# KiCad board V5PCB_Panel.kicad_pcb (continued)
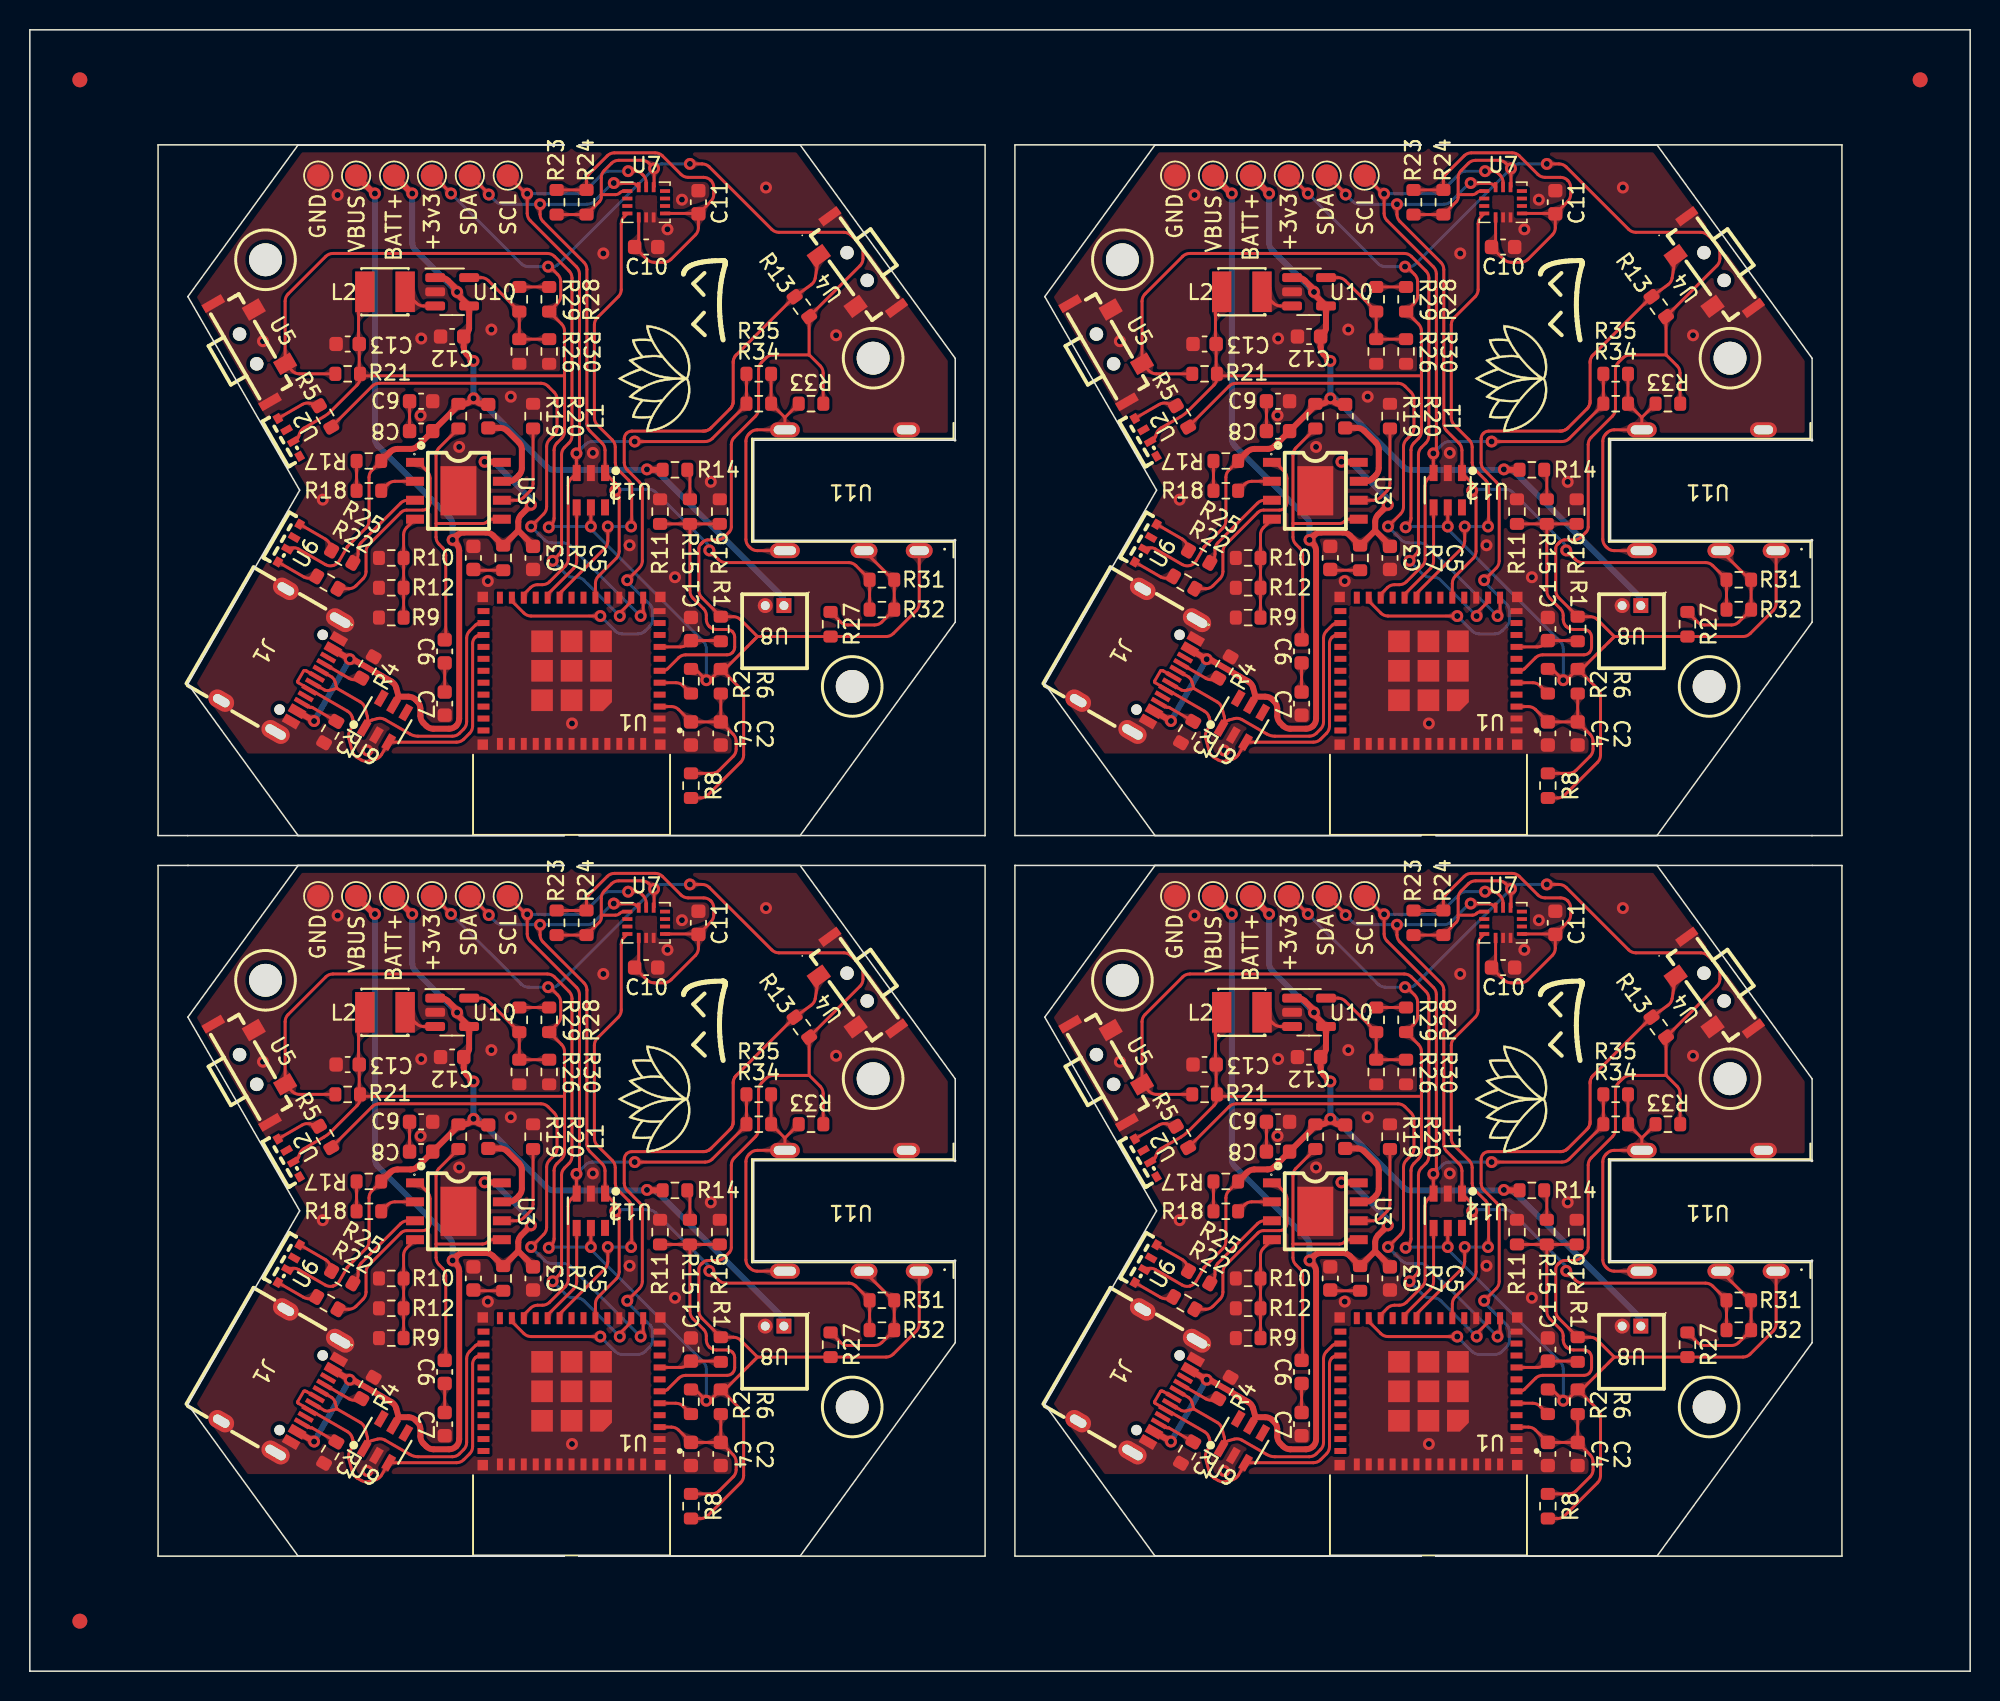
[diagram p0: board, top side]
## Routing (per net, layer and track width the routed paths; a pad name or vN(x,y) marks a point on that pad's centre or on a via; arc(x,y) is an arc through that point) (continued)
  Bottom w0.2: v1(80.53,99.03) 80.5,99.03 arc(80.47,99.04) 80.45,99.05
  Bottom w0.4: v1(87.88,81.05) 88.21,81.05 arc(88.47,81) 88.69,80.85 90.85,78.7 arc(90.95,78.54) 90.98,78.36 v1(90.98,78.17) ; 80.45,99.05 VBUS#8.1 ; v1(80.53,99.03) 80.53,82.6 arc(80.58,82.34) 80.73,82.12 85.54,77.31 arc(85.68,77.09) 85.74,76.83 v1(85.74,75.81) ; v1(78.85,67.82) v1(76.45,63.68)
Board_2-+3V3: length 184.4
  Top w0.2: v1(44.22,52.72) 45.04,52.72 arc(45.3,52.67) 45.52,52.53 49.71,48.34 arc(49.93,48.19) 50.19,48.14 54.54,48.14 arc(54.8,48.09) 55.02,47.94 55.62,47.34 arc(55.77,47.12) 55.82,46.86 55.82,46.38 arc(55.77,46.12) 55.62,45.9 R13#3.2 ; U7#4.1 39.81,50.91 arc(39.66,50.87) 39.53,50.79 arc(39.39,50.7) 39.24,50.67 38.28,50.67 ; 38.28,50.67 38.28,51.8 arc(38.34,52.06) 38.48,52.28 38.97,52.77 arc(39.19,52.91) 39.45,52.97 41,52.97 arc(41.26,52.91) 41.48,52.77 v1(41.82,52.42) 41.82,51.22 arc(41.82,51.2) 41.81,51.18 U7#4.12 ; 38.28,50.67 38.28,50.49 arc(38.25,50.33) 38.16,50.2 R24#2.1 R23#4.1 ; 48.75,21.05 48.07,20.38 46.68,18.98 arc(46.57,18.91) 46.44,18.88 R6.1 ; 48.75,21.05 57.37,21.05 arc(57.63,21.1) 57.85,21.25 59.39,22.79 arc(59.54,23.01) 59.59,23.27 U11#3.1 59.59,26.71 ; 48.75,21.05 47.62,22.18 arc(47.4,22.33) 47.14,22.38 R1.1 45.02,23.65 arc(44.88,23.87) 44.82,24.13 44.82,26.96 arc(44.85,27.1) 44.93,27.22 45.11,27.4 arc(45.25,27.49) 45.41,27.52 46.05,27.52 arc(46.31,27.58) 46.53,27.72 46.85,28.05 arc(46.96,28.21) 47,28.4 47,33.92 arc(47.05,34.18) 47.2,34.4 48.62,35.83 arc(48.77,36.05) 48.82,36.31 48.82,38.94 arc(48.88,39.2) 49.02,39.42 49.32,39.73 arc(49.55,39.87) 49.81,39.92 52.21,39.92 ; v1(34.72,45.84) 34.78,45.84 arc(34.84,45.83) 34.88,45.8 35.37,45.31 arc(35.52,45.09) 35.57,44.83 35.57,43.89 arc(35.52,43.63) 35.37,43.41 R28#2.1 35.62,42 arc(35.77,41.78) 35.82,41.52 35.82,34.81 arc(35.77,34.55) 35.62,34.33 35.32,34.02 arc(35.18,33.8) 35.12,33.54 35.12,28.98 arc(35.08,28.75) 34.95,28.55 v1(34.77,28.37) ; 35.82,38.52 22.34,38.52 arc(22.26,38.54) 22.18,38.59 R21.2 ; R8#2.1 44.95,10.23 arc(45.21,10.28) 45.43,10.43 47.62,12.63 arc(47.77,12.85) 47.82,13.11 47.82,17.07 arc(47.77,17.33) 47.62,17.55 R6.1 ; U2#4.2 17.81,34.22 arc(17.94,34.33) 18.02,34.49 18.05,34.61 arc(18.17,34.85) 18.37,35.02 19.7,35.79 arc(19.95,35.95) 20.16,36.14 21.92,37.9 arc(22.07,38.12) 22.12,38.38 R21.2 ; R33#2.1 53.16,36.67 arc(53.16,36.68) 53.15,36.7 53.15,38.71 arc(53.1,38.97) 52.95,39.19 52.23,39.92 arc(52.22,39.92) 52.22,39.92 52.21,39.92 ; v1(28.22,50.74) 27.05,51.91 arc(27.02,51.93) 26.98,51.94 +3v3#3.1 ; R13#3.2 52.04,42.37 ; R13#3.2 52.21,39.92 ; L2#4.2 22.22,43.93 arc(22.08,43.71) 22.02,43.45 22.02,40.73 arc(22.03,40.7) 22.05,40.68 arc(22.06,40.65) 22.07,40.62 22.07,38.74 arc(22.08,38.71) 22.09,38.68 R21.2 ; R6.1 45.61,18.2 arc(45.53,18.14) 45.43,18.12 v1(45.32,18.12) 44.66,18.78 arc(44.56,18.86) 44.43,18.88 R2#3.2 ; 26.97,51.92 26.97,51.94 arc(26.96,51.94) 26.95,51.94 26.95,51.94 arc(26.94,51.94) 26.94,51.94 ; v1(37.59,28.42) U12#4.5
  Bottom w0.2: v1(44.22,52.72) 42.34,52.72 arc(42.14,52.69) 41.97,52.57 v1(41.82,52.42) 35.39,46 arc(35.21,45.87) 34.98,45.82 34.75,45.82 arc(34.74,45.83) 34.73,45.83 v1(34.72,45.84) 33.4,45.84 arc(33.14,45.89) 32.92,46.04 v1(28.22,50.74) 27.05,51.91 arc(27.02,51.93) 26.98,51.94 +3v3#8.1 ; v1(45.32,18.12) 45.32,20.24 arc(45.27,20.5) 45.12,20.72 37.65,28.2 arc(37.6,28.27) 37.59,28.34 v1(37.59,28.42) 34.86,28.42 arc(34.82,28.42) 34.79,28.4 v1(34.77,28.37) ; 26.96,51.94 arc(26.95,51.94) 26.95,51.94 arc(26.94,51.94) 26.94,51.93
Board_2-+BATT: length 70.7
  Top w0.2: R17.1 22.92,32.2 arc(22.78,31.98) 22.72,31.72 22.72,28.81 arc(22.67,28.55) 22.52,28.33 21.27,27.07 arc(21.26,27.06) 21.26,27.06 arc(21.26,27.05) 21.26,27.04 20.73,26.13 arc(20.55,25.93) 20.32,25.81 20.31,25.81 arc(20.05,25.79) 19.8,25.88 17.99,26.92 arc(17.76,27) 17.51,26.98 U6#4.2 ; 30.71,36.61 L1#2.2 ; v1(28.63,44.14) 28.63,44.08 arc(28.64,44.02) 28.67,43.96 ; 29.39,43.38 arc(29.42,43.33) 29.43,43.27 U10#4.4 arc(29.43,43.21) 29.43,43.2 arc(29.43,43.2) 29.43,43.2
  Top w0.4: 28.63,44.33 v1(28.63,44.14) 28.63,44.22 arc(28.61,44.29) 28.57,44.35 28.02,44.91 arc(27.8,45.05) 27.54,45.11 U10#4.1 27.41,45.11 ; 28.67,43.96 U10#4.4 ; v1(29.72,37.02) 29.86,37.15 ; v1(29.72,37.02) 29.92,36.82 arc(30.15,36.67) 30.41,36.62 30.7,36.62 arc(30.7,36.62) 30.71,36.61 ; v1(29.72,37.02) 29.54,36.83 arc(29.33,36.69) 29.09,36.64 28.77,36.64 arc(28.73,36.63) 28.72,36.59 arc(28.71,36.55) 28.68,36.51 25.99,33.82 arc(25.77,33.68) 25.51,33.62 24.63,33.62 arc(24.37,33.57) 24.15,33.43 R17.1 ; v1(29.72,39.52) 29.27,39.97 arc(29.12,40.19) 29.07,40.45 C12.1 29.25,41.34 arc(29.37,41.5) 29.43,41.69 29.43,43.2 ; v1(41.35,32.25) 41.41,32.25 arc(41.51,32.23) 41.61,32.22 R14#3.1 ; 25.59,50.75 BATT+.1
  Bottom w0.2: v1(29.72,37.02) 29.72,37.32 ; BATT+#5.1 24.41,51.94 arc(24.42,51.94) 24.43,51.93 ; v1(28.63,44.14) 28.6,44.14
  Bottom w0.4: 29.72,37.32 34.63,32.42 arc(34.85,32.27) 35.11,32.22 41.29,32.22 arc(41.31,32.22) 41.33,32.23 v1(41.35,32.25) 41.62,32.25 arc(41.87,32.2) 42.09,32.06 50.35,23.8 arc(50.48,23.61) 50.52,23.38 U8.1 ; 24.43,51.93 v1(25.62,50.74) 25.62,47.43 arc(25.67,47.17) 25.82,46.95 v1(28.63,44.14) ; v1(29.72,39.52) v1(29.72,37.02)
Board_2-/ADC: length 19.8
  Top w0.2: R15#4.2 R11.1 ; R15#4.2 R16#2.1 ; R15#4.2 44.22,24.11 arc(44.28,23.85) 44.42,23.63 45.14,22.91 arc(45.28,22.7) 45.32,22.47 45.32,22.21 arc(45.38,21.95) 45.52,21.73 45.52,21.72 arc(45.75,21.58) 46.01,21.52 46.71,21.52 arc(46.91,21.49) 47.07,21.37 arc(47.18,21.21) 47.22,21.01 47.22,20.34 arc(47.18,20.14) 47.07,19.97 arc(46.91,19.86) 46.71,19.82 43.95,19.82 arc(43.68,19.77) 43.46,19.63 42.74,18.9 arc(42.58,18.79) 42.39,18.76 U1#2.6
Board_2-/BMI_INT_AUX: length 6.8
  Top w0.2: U1#2.20 34.69,23.77 arc(34.71,23.87) 34.77,23.96 36.44,25.62 arc(36.59,25.84) 36.64,26.11 U12#4.4
Board_2-/BMI_INT_MAIN: length 30.4
  Top w0.2: v1(40.28,28.42) 40.3,28.44 arc(40.32,28.47) 40.32,28.49 40.32,31.04 arc(40.27,31.3) 40.12,31.52 39.42,32.23 arc(39.28,32.45) 39.22,32.71 39.22,33.74 arc(39.17,34) 39.02,34.22 38.02,35.23 arc(37.88,35.45) 37.82,35.71 37.82,41.94 arc(37.88,42.2) 38.02,42.42 39.42,43.83 arc(39.57,44.05) 39.62,44.31 39.62,48.72 arc(39.68,48.98) 39.82,49.2 U7#4.4 ; U1#2.19 35.49,23.8 arc(35.52,23.93) 35.59,24.04 38.52,26.97 arc(38.67,27.19) 38.72,27.45 v1(38.72,28.42)
  Bottom w0.2: v1(38.72,28.42) v1(40.28,28.42)
Board_2-/BOOT: length 45.3
  Top w0.2: v1(40.02,24.82) 40.84,25.64 arc(40.98,25.86) 41.04,26.12 41.04,30.93 arc(40.98,31.19) 40.84,31.41 40.02,32.22 arc(39.88,32.44) 39.82,32.7 39.82,34.31 arc(39.86,34.5) 39.97,34.67 arc(40.14,34.78) 40.33,34.82 45.1,34.82 arc(45.14,34.82) 45.19,34.82 arc(45.23,34.82) 45.27,34.83 45.32,34.84 arc(45.4,34.87) 45.48,34.91 45.52,34.93 arc(45.56,34.96) 45.59,34.99 arc(45.62,35.02) 45.65,35.05 46.89,36.29 arc(46.92,36.32) 46.96,36.35 arc(46.98,36.39) 47.01,36.42 47.03,36.46 arc(47.07,36.54) 47.1,36.62 47.11,36.67 arc(47.12,36.71) 47.12,36.76 arc(47.12,36.8) 47.12,36.84 47.12,39.39 arc(47.12,39.44) 47.13,39.48 arc(47.13,39.53) 47.14,39.57 47.15,39.61 arc(47.18,39.7) 47.22,39.77 47.24,39.81 arc(47.26,39.85) 47.29,39.88 arc(47.32,39.92) 47.35,39.95 51.23,43.82 arc(51.23,43.82) 51.23,43.82 arc(51.23,43.83) 51.23,43.83 51.23,43.83 arc(51.24,43.83) 51.24,43.83 arc(51.24,43.83) 51.24,43.83 R13#3.1 52.35,44.63 arc(52.53,44.83) 52.62,45.08 U4#3.1 ; U1#2.23 32.29,23.54 arc(32.31,23.44) 32.37,23.35 33.1,22.62 arc(33.32,22.48) 33.58,22.42 v1(38.22,22.42)
  Bottom w0.2: v1(38.22,22.42) 39.22,21.42 arc(39.45,21.28) 39.71,21.22 40.74,21.22 arc(41,21.28) 41.22,21.42 41.52,21.73 arc(41.67,21.95) 41.72,22.21 41.72,22.74 arc(41.69,22.96) 41.59,23.16 40.06,24.68 arc(40.03,24.73) 40.02,24.77 v1(40.02,24.82)
Board_2-/CHARGED_LED: length 6.5
  Top w0.2: U3#2.3 25.32,30.18 arc(25.06,30.13) 24.83,29.99 22.19,27.34 arc(22.05,27.12) 21.99,26.86 21.99,26.58 arc(21.95,26.35) 21.82,26.16 R25#2.2 21.68,26.03 arc(21.71,26.07) 21.72,26.12
Board_2-/CHARGING_LED: length 12.8
  Top w0.2: U3#2.1 25.92,32.72 arc(26.02,32.7) 26.1,32.65 26.62,32.13 arc(26.76,31.91) 26.82,31.65 26.82,30.02 arc(26.78,29.83) 26.67,29.67 arc(26.51,29.56) 26.32,29.52 25.25,29.52 arc(25.04,29.48) 24.86,29.36 22.72,27.22 arc(22.58,27) 22.52,26.74 22.52,25.41 arc(22.47,25.15) 22.32,24.93 21.85,24.45 arc(21.63,24.31) 21.37,24.25 R22.2
Board_2-/EN: length 4.2
  Top w0.2: R1.2 46.27,20.76 arc(46.24,20.77) 46.21,20.78 44.58,20.78 arc(44.32,20.73) 44.09,20.58 44.07,20.55 arc(43.85,20.41) 43.59,20.36 U1#2.8
Board_2-/GPIO1: length 56.1
  Top w0.2: R21.1 18.06,38.66 arc(17.8,38.71) 17.58,38.85 17.3,39.13 arc(17.15,39.35) 17.1,39.61 17.1,43.52 arc(17.15,43.78) 17.3,44 19.82,46.53 arc(20.05,46.67) 20.31,46.72 34.67,46.72 arc(34.93,46.67) 35.15,46.53 36.12,45.56 arc(36.27,45.33) 36.32,45.07 36.32,34.51 arc(36.27,34.25) 36.12,34.03 35.82,33.72 arc(35.68,33.5) 35.62,33.24 35.62,27.01 arc(35.57,26.75) 35.42,26.53 v1(35.02,26.12) ; U1#2.13 40.29,23.53 arc(40.27,23.41) 40.2,23.3 arc(40.2,23.3) 40.2,23.3 39.51,22.62 39.51,22.61 arc(39.51,22.61) 39.51,22.61 39.51,22.45 arc(39.51,22.44) 39.52,22.43 v1(39.52,22.42)
  Bottom w0.2: v1(35.02,26.12) 35.94,25.21 arc(36.14,25.07) 36.38,25.02 36.64,25.02 arc(36.9,24.97) 37.12,24.83 v1(39.52,22.42)
Board_2-/GPIO2: length 2.4
  Top w0.2: U1#2.5 43.29,17.96 arc(43.55,17.9) 43.77,17.76 R2#3.1
Board_2-/SCL: length 58
  Top w0.2: U7#4.13 41.29,51.49 arc(41.24,51.75) 41.09,51.97 41.02,52.04 arc(40.84,52.17) 40.63,52.24 v1(40.08,52.24) ; SCL.1 33.21,50.75 arc(33.24,50.73) 33.28,50.72 v1(33.32,50.72) 33.32,49.41 arc(33.38,49.15) 33.52,48.93 36.62,45.83 arc(36.77,45.61) 36.82,45.35 36.82,33.67 arc(36.8,33.54) 36.72,33.42 v1(36.62,33.32) 36.62,31.99 36.27,31.64 arc(36.12,31.42) 36.07,31.16 36.07,26.25 arc(36.02,25.99) 35.87,25.77 34.82,24.72 arc(34.6,24.58) 34.34,24.52 34.02,24.52 arc(33.76,24.47) 33.54,24.33 33.17,23.96 arc(33.11,23.87) 33.09,23.77 U1#2.22 ; R35#2.1 48.01,36.61 45.72,34.32 arc(45.5,34.17) 45.24,34.12 v1(40.52,34.12)
  Bottom w0.2: v1(36.62,33.32) 37.22,33.92 arc(37.44,34.07) 37.7,34.12 v1(40.52,34.12) ; 32.04,51.94 33.23,50.75 arc(33.26,50.73) 33.29,50.72 v1(33.32,50.72) 36.74,50.72 arc(37,50.78) 37.22,50.92 38.34,52.04 arc(38.52,52.17) 38.73,52.24 v1(40.08,52.24)
Board_2-/SDA: length 65.4
  Top w0.2: v1(45.52,26.82) 46.14,26.2 arc(46.36,26.06) 46.62,26.01 54.86,26.01 arc(55.12,25.95) 55.34,25.81 56.25,24.9 arc(56.26,24.88) 56.26,24.87 R31.1 R32#3.1 ; v1(30.75,50.67) 30.75,50.69 arc(30.75,50.71) 30.74,50.73 29.54,51.92 arc(29.52,51.93) 29.5,51.94 29.48,51.94 ; 40.79,51.23 U7#4.14 40.67,51.3 arc(40.55,51.38) 40.41,51.42 39.16,51.42 arc(39.14,51.43) 39.13,51.43 v1(39.12,51.44) ; v1(34.18,50.02) 34.18,49.35 arc(34.24,49.09) 34.38,48.87 37.12,46.13 arc(37.27,45.91) 37.32,45.65 37.32,35.31 arc(37.38,35.05) 37.52,34.83 38.34,34.01 arc(38.49,33.79) 38.54,33.53 U12#4.1 39.22,31.32 arc(39.29,31.23) 39.32,31.12 39.32,30.99 arc(39.31,30.93) 39.27,30.87 v1(39.22,30.82) 39.35,30.69 arc(39.45,30.55) 39.48,30.38 39.48,26.77 arc(39.43,26.51) 39.29,26.29 38.09,25.09 arc(37.95,24.87) 37.89,24.61 U1#2.16
  Bottom w0.2: v1(39.12,51.44) 39.08,51.44 arc(39.04,51.44) 39.01,51.41 37.76,50.16 arc(37.56,50.06) 37.34,50.02 31.68,50.02 arc(31.42,50.08) 31.2,50.22 v1(30.75,50.67) ; v1(30.75,50.67) 30.72,50.64 ; v1(30.75,50.67) 30.75,50.69 arc(30.75,50.71) 30.74,50.73 29.53,51.93 29.53,51.93 arc(29.51,51.94) 29.5,51.94 SDA#5.1 ; v1(45.52,26.82) 45.52,26.97 arc(45.5,27.11) 45.42,27.23 41.92,30.73 arc(41.74,30.85) 41.53,30.92 39.39,30.92 arc(39.33,30.91) 39.27,30.87 v1(39.22,30.82)
Board_2-/STATUS_LED: length 37.1
  Top w0.2: v1(40.92,22.42) 41.01,22.51 arc(41.07,22.6) 41.09,22.72 U1#2.12 ; R5#3.2 22.93,37.83 arc(23.15,37.97) 23.41,38.02 34.24,38.02 arc(34.5,37.97) 34.72,37.83 35.12,37.42 arc(35.27,37.2) 35.32,36.94 35.32,35.04 arc(35.27,34.78) 35.12,34.56 34.82,34.26 arc(34.68,34.04) 34.62,33.78 34.62,29.75 arc(34.57,29.48) 34.42,29.26 v1(33.58,28.42)
  Bottom w0.2: v1(40.92,22.42) 36.22,27.13 arc(36,27.27) 35.74,27.32 34.97,27.32 arc(34.71,27.38) 34.49,27.52 v1(33.58,28.42)
Board_2-/USB_D+: length 25.1
  Top w0.2: J1#4.B6 18.56,18.73 arc(18.54,18.74) 18.51,18.75 arc(18.49,18.76) 18.47,18.77 18.42,18.77 arc(18.4,18.77) 18.37,18.77 arc(18.35,18.76) 18.34,18.74 17.95,18.07 arc(17.94,18.04) 17.94,18.01 arc(17.95,17.98) 17.98,17.96 21.28,16.05 arc(21.48,15.87) 21.6,15.64 21.64,15.49 arc(21.66,15.22) 21.57,14.97 21.44,14.74 arc(21.36,14.49) 21.37,14.22 21.6,13.36 arc(21.72,13.12) 21.92,12.94 22.21,12.78 arc(22.46,12.69) 22.73,12.71 23.15,12.82 arc(23.39,12.94) 23.56,13.14 U9#2.3 ; U1#2.27 30.19,21.16 arc(30.01,21.12) 29.85,21.01 29.83,20.99 arc(29.71,20.81) 29.67,20.59 29.67,15.05 arc(29.61,14.79) 29.47,14.57 29.07,14.17 arc(28.85,14.02) 28.59,13.97 U9#2.3 ; U9#2.3 24.09,14.06 arc(24.15,14.13) 24.24,14.17
Board_2-/USB_D-: length 22.1
  Top w0.2: 20.57,17.58 20.45,18 arc(20.37,18.18) 20.24,18.33 19.48,18.77 arc(19.48,18.77) 19.48,18.77 J1#4.B7 ; 20.57,17.58 22.14,16.67 arc(22.34,16.49) 22.46,16.25 22.61,15.69 arc(22.63,15.42) 22.54,15.17 22.47,15.05 22.53,15.15 arc(22.7,15.34) 22.92,15.45 23.28,15.55 arc(23.55,15.57) 23.8,15.48 25.47,14.51 arc(25.73,14.41) 26.01,14.37 28.31,14.37 arc(28.57,14.42) 28.79,14.57 29.07,14.85 arc(29.21,15.07) 29.27,15.33 29.27,20.94 arc(29.32,21.2) 29.46,21.43 29.85,21.81 arc(30.01,21.92) 30.19,21.96 U1#2.26 ; 20.57,17.58 20.07,17.44 arc(19.91,17.43) 19.75,17.46 18.98,17.91 arc(18.98,17.91) J1#4.A7
Board_2-GND:
  vias: v1(15.62,40.84) v1(19.62,30.22) v1(20.62,50.64) v1(22.61,13.41) v1(26.22,41.02) v1(26.18,35.87) v1(28.77,33.76) v1(30.68,24.77) v1(30.92,41.62) v1(32.22,37.12) v1(36.32,15.22) v1(37.72,33.36) v1(38.42,46.72) v1(40.18,27.17) v1(42.72,48.34) v1(43.22,25.02) v1(43.69,50.33) v1(45.62,31.42) v1(49.32,51.14) v1(54.02,41.24)
Board_2-Net-(C3-Pad1): length 2
  Top w0.2: C3.1 29.74,25.52 arc(29.77,25.5) 29.8,25.49 R7.2
Board_2-Net-(C6-Pad2): length 1.9
  Top w0.2: C7.1 C6#3.2
Board_2-Net-(C8-Pad2): length 2
  Top w0.2: C9#2.1 C8#4.2
Board_2-Net-(J1-CC1): length 2.8
  Top w0.2: R4#3.1 21.9,18.18 arc(21.64,18.16) 21.39,18.25 20.9,18.53 J1#4.A5
Board_2-Net-(J1-CC2): length 2.6
  Top w0.2: R3#4.1 18.92,16.3 arc(18.87,16.31) 18.82,16.31 arc(18.77,16.31) 18.72,16.32 J1#4.B5
Board_2-Net-(R5-Pad1): length 3
  Top w0.2: R5#3.1 18.77,36.68 arc(18.51,36.69) 18.26,36.61 U2#4.4
Board_2-Net-(R14-Pad2): length 2
  Top w0.2: R14#3.2 44.14,32.14 arc(44.2,32.04) 44.22,31.93 R15#4.1
Board_2-Net-(R17-Pad2): length 2
  Top w0.2: R18#2.1 R17.2
Board_2-Net-(R22-Pad1): length 2.9
  Top w0.2: U6#4.1 18.34,25.05 arc(18.6,24.97) 18.86,24.98 R22.1
Board_2-Net-(R25-Pad1): length 2.9
  Top w0.2: U6#4.4 19.8,27.58 arc(20,27.41) 20.12,27.17 R25#2.1
Board_2-Net-(R27-Pad2): length 11.3
  Top w0.2: U11#3.3 55.63,26.81 arc(55.4,26.76) 55.2,26.62 ; R27#2.2 54.32,22.02 arc(54.54,21.88) 54.8,21.82 56.6,21.82 arc(56.86,21.88) 57.08,22.02 R32#3.2 57.91,24.82 arc(57.9,24.84) 57.88,24.86 arc(57.84,24.86) 57.81,24.88 55.98,26.71 arc(55.88,26.78) 55.76,26.81 55.63,26.81 arc(55.38,26.76) 55.18,26.62
Board_2-Net-(R28-Pad2): length 2
  Top w0.2: R28#2.2 R29#3.1
Board_2-Net-(R33-Pad2): length 18.1
  Top w0.2: R35#2.2 R34#2.2 50.59,35.73 ; U11#3.5 48.74,26.81 arc(48.48,26.86) 48.26,27 48.17,27.09 arc(48.03,27.31) 47.97,27.57 47.97,34.14 arc(48.03,34.4) 48.17,34.62 48.26,34.71 arc(48.48,34.85) 48.74,34.91 U11#3.4 50.59,35.73 ; 50.59,35.73 R33#2.2
Board_2-Net-(U1-3V3): length 12.4
  Top w0.2: R8#2.2 45.7,11.88 arc(45.96,11.93) 46.18,12.08 47.12,13.03 arc(47.27,13.25) 47.32,13.51 47.32,14.02 arc(47.27,14.28) 47.12,14.5 C2#2.1 ; U1#2.3 42.99,16.36 arc(43.25,16.3) 43.47,16.16 C4#3.1 C2#2.1 ; C2#2.1 R6.2
Board_2-Net-(U3-BAT): length 19.5
  Top w0.2: 27.22,28.62 27.22,33.21 arc(27.27,33.47) 27.41,33.69 R20#2.2 ; 27.22,28.62 27.22,27.71 arc(27.27,27.45) 27.41,27.23 27.67,26.98 arc(27.81,26.76) 27.87,26.5 27.87,20.95 arc(27.86,20.91) 27.83,20.87 C6#3.1 ; 27.22,28.62 30.33,28.62 arc(30.51,28.66) 30.68,28.77 arc(30.84,28.88) 31.03,28.91 U3#2.5
Board_2-Net-(U3-ICHG): length 6.4
  Top w0.2: U3#2.6 32.61,30.18 arc(32.87,30.24) 33.09,30.38 33.52,30.81 arc(33.66,31.03) 33.72,31.29 R19#3.2
Board_2-Net-(U3-NTC): length 6.9
  Top w0.2: U3#2.4 25.24,28.35 arc(25.09,28.13) 25.04,27.87 R10#4.2 R12.2 R9#2.2
Board_2-Net-(U3-SW): length 6
  Top w0.4: U3#2.7 32.08,31.45 arc(32.34,31.51) 32.56,31.65 32.77,31.86 arc(32.91,32.08) 32.97,32.34 32.97,33.58 arc(32.91,33.84) 32.77,34.06 31.99,34.83 arc(31.77,34.98) 31.51,35.03 L1#2.1
Board_2-Net-(U3-TEST): length 2.5
  Top w0.2: U3#2.2 24.46,31.45 arc(24.2,31.4) 23.98,31.26 R18#2.2
Board_2-Net-(U7-VDD): length 26.4
  Top w0.2: U7#4.8 44.75,49.41 arc(44.77,49.4) 44.78,49.39 44.79,49.39 arc(44.79,49.38) 44.79,49.37 44.79,48.45 arc(44.74,48.19) 44.59,47.97 42.96,46.33 arc(42.74,46.18) 42.48,46.13 41.82,46.13 arc(41.56,46.18) 41.34,46.33 40.66,47.02 arc(40.6,47.16) 40.66,47.29 arc(40.76,47.45) 40.79,47.62 U7#4.5 ; C11#4.1 45.62,50.21 arc(45.77,50.43) 45.82,50.69 45.82,51.14 arc(45.77,51.4) 45.62,51.62 45.62,51.63 arc(45.4,51.77) 45.14,51.82 44.11,51.82 arc(43.85,51.88) 43.62,52.02 42.38,53.27 arc(42.16,53.41) 41.9,53.47 39.17,53.47 arc(38.91,53.41) 38.69,53.27 37.49,52.07 arc(37.35,51.85) 37.29,51.59 R24#2.2 R23#4.2 ; 40.24,47.16 C10.1
Board_2-Net-(U10-FB): length 8.1
  Top w0.2: U10#4.5 30.24,45.11 arc(30.5,45.05) 30.72,44.91 R29#3.2 R26#4.1 R30#3.1
Board_2-Net-(U10-SW): length 2.6
  Top w0.2: L2#4.1 25.89,43.4 arc(26.12,43.26) 26.38,43.21 U10#4.3 27.09,43.14 arc(27.02,43.1) 26.94,43.08
Board_2-VBUS: length 74
  Top w0.2: v1(21.44,19.53) 21.69,19.6 ; C5#3.1 33.72,27.13 arc(33.71,27.16) 33.69,27.18 ; v1(23.12,50.74) 23.09,50.74 arc(23.06,50.75) 23.04,50.76
  Top w0.4: 24.71,17.02 U9#2.5 ; 24.71,17.02 25.37,17.02 arc(25.63,16.97) 25.85,16.82 25.97,16.7 arc(26.11,16.48) 26.17,16.22 26.17,15.74 arc(26.22,15.48) 26.36,15.26 26.55,15.07 arc(26.78,14.92) 27.04,14.87 28.09,14.87 arc(28.35,14.92) 28.57,15.07 arc(28.71,15.29) 28.77,15.55 28.77,26.8 arc(28.71,27.06) 28.57,27.28 v1(28.32,27.52) 28.62,27.83 arc(28.85,27.97) 29.11,28.02 30.55,28.02 arc(30.81,27.97) 31.03,27.83 R7.1 32.72,28.15 ; 24.71,17.02 24.54,17.62 arc(24.43,17.86) 24.23,18.03 21.63,19.53 arc(21.57,19.55) 21.5,19.55 v1(21.44,19.53) 20.31,20.18 ; v1(30.47,32.76) 31.56,32.76 arc(31.59,32.75) 31.61,32.74 U3#2.8 ; 23.04,50.76 VBUS.1 ; 32.72,28.15 32.72,28.74 arc(32.78,29) 32.92,29.22 33.57,29.86 arc(33.57,29.87) 33.57,29.87 v1(33.57,29.88) ; 32.72,28.15 33.69,27.18 ; v1(19.04,15.39) J1#4.A4
  Bottom w0.2: v1(23.12,50.74) 23.09,50.74 arc(23.06,50.75) 23.03,50.76
  Bottom w0.4: 23.03,50.76 VBUS#7.1 ; v1(23.12,50.74) 23.12,34.31 arc(23.17,34.05) 23.32,33.83 28.12,29.02 arc(28.27,28.8) 28.32,28.54 v1(28.32,27.52) ; v1(21.44,19.53) v1(19.04,15.39) ; v1(30.47,32.76) 30.8,32.76 arc(31.06,32.71) 31.28,32.56 33.43,30.41 arc(33.54,30.25) 33.57,30.07 v1(33.57,29.88)
Board_3-+3V3: length 184.4
  Top w0.2: 93.24,38.52 79.75,38.52 arc(79.67,38.54) 79.6,38.59 R21#4.2 ; U7.1 97.23,50.91 arc(97.07,50.87) 96.94,50.79 arc(96.8,50.7) 96.65,50.67 95.7,50.67 ; R2#2.2 101.84,18.88 arc(101.97,18.86) 102.08,18.78 v1(102.74,18.12) 102.84,18.12 arc(102.94,18.14) 103.03,18.2 R6#3.1 ; R6#3.1 105.04,17.55 arc(105.18,17.33) 105.24,17.07 105.24,13.11 arc(105.18,12.85) 105.04,12.63 102.84,10.43 arc(102.62,10.28) 102.36,10.23 R8#4.1 ; R6#3.1 103.85,18.88 arc(103.98,18.91) 104.09,18.98 106.16,21.05 ; v1(92.14,45.84) 92.19,45.84 arc(92.25,45.83) 92.29,45.8 92.78,45.31 arc(92.93,45.09) 92.98,44.83 92.98,43.89 arc(92.93,43.63) 92.78,43.41 R28.1 93.04,42 arc(93.18,41.78) 93.24,41.52 93.24,34.81 arc(93.18,34.55) 93.04,34.33 92.73,34.02 arc(92.59,33.8) 92.54,33.54 92.54,28.98 arc(92.49,28.75) 92.36,28.55 v1(92.18,28.37) ; 117,26.71 U11.1 117,23.27 arc(116.95,23.01) 116.8,22.79 115.26,21.25 arc(115.04,21.1) 114.78,21.05 106.16,21.05 ; R21#4.2 79.53,38.38 arc(79.48,38.12) 79.33,37.9 77.58,36.14 arc(77.36,35.95) 77.12,35.79 75.78,35.02 arc(75.58,34.85) 75.47,34.61 75.43,34.49 arc(75.36,34.33) 75.22,34.22 U2.2 ; R21#4.2 79.51,38.68 arc(79.49,38.71) 79.48,38.74 79.48,40.62 arc(79.47,40.65) 79.46,40.68 arc(79.44,40.7) 79.44,40.73 79.44,43.45 arc(79.49,43.71) 79.63,43.93 L2#2.2 ; 95.7,50.67 95.7,51.8 arc(95.75,52.06) 95.9,52.28 96.38,52.77 arc(96.6,52.91) 96.86,52.97 98.41,52.97 arc(98.67,52.91) 98.89,52.77 v1(99.24,52.42) 99.24,51.22 arc(99.23,51.2) 99.22,51.18 U7.12 ; 95.7,50.67 95.7,50.49 arc(95.66,50.33) 95.57,50.2 R24#3.1 R23#3.1 ; 106.16,21.05 105.03,22.18 arc(104.81,22.33) 104.55,22.38 R1#2.1 102.43,23.65 arc(102.29,23.87) 102.24,24.13 102.24,26.96 arc(102.26,27.1) 102.34,27.22 102.52,27.4 arc(102.66,27.49) 102.82,27.52 103.46,27.52 arc(103.72,27.58) 103.94,27.72 104.27,28.05 arc(104.37,28.21) 104.41,28.4 104.41,33.92 arc(104.46,34.18) 104.61,34.4 106.04,35.83 arc(106.18,36.05) 106.24,36.31 106.24,38.94 arc(106.29,39.2) 106.43,39.42 106.74,39.73 arc(106.96,39.87) 107.22,39.92 109.62,39.92 ; v1(85.63,50.74) 84.46,51.91 arc(84.43,51.93) 84.39,51.94 +3v3#4.1 ; 109.62,39.92 109.63,39.92 arc(109.63,39.92) 109.64,39.92 110.37,39.19 arc(110.51,38.97) 110.56,38.71 110.56,36.7 arc(110.57,36.68) 110.57,36.67 R33#3.1 ; 109.62,39.92 R13.2 ; R13.2 113.03,45.9 arc(113.18,46.12) 113.23,46.38 113.23,46.86 arc(113.18,47.12) 113.03,47.34 112.43,47.94 arc(112.21,48.09) 111.95,48.14 107.6,48.14 arc(107.34,48.19) 107.12,48.34 102.93,52.53 arc(102.71,52.67) 102.45,52.72 v1(101.64,52.72) ; R13.2 109.45,42.37 ; v1(95,28.42) U12.5 ; 84.38,51.92 84.38,51.94 arc(84.37,51.94) 84.36,51.94 84.36,51.94 arc(84.35,51.94) 84.35,51.94
  Bottom w0.2: v1(92.18,28.37) 92.21,28.4 arc(92.24,28.42) 92.27,28.42 v1(95,28.42) 95,28.34 arc(95.01,28.27) 95.06,28.2 102.54,20.72 arc(102.68,20.5) 102.74,20.24 v1(102.74,18.12) ; v1(101.64,52.72) 99.75,52.72 arc(99.55,52.69) 99.39,52.57 v1(99.24,52.42) 92.81,46 arc(92.62,45.87) 92.39,45.82 92.16,45.82 arc(92.15,45.83) 92.14,45.83 v1(92.14,45.84) 90.81,45.84 arc(90.55,45.89) 90.33,46.04 v1(85.63,50.74) 84.46,51.91 arc(84.43,51.93) 84.39,51.94 +3v3#5.1 ; 84.37,51.94 arc(84.36,51.94) 84.36,51.94 arc(84.35,51.94) 84.35,51.93
Board_3-+BATT: length 70.7
  Top w0.2: U6.2 74.92,26.98 arc(75.17,27) 75.4,26.92 77.21,25.88 arc(77.46,25.79) 77.73,25.81 77.73,25.81 arc(77.97,25.93) 78.14,26.13 78.67,27.04 arc(78.67,27.05) 78.67,27.06 arc(78.68,27.06) 78.68,27.07 79.94,28.33 arc(80.08,28.55) 80.14,28.81 80.14,31.72 arc(80.19,31.98) 80.33,32.2 R17#2.1 ; 88.12,36.61 L1.2 ; v1(86.04,44.14) 86.04,44.08 arc(86.05,44.02) 86.08,43.96 ; 86.8,43.38 arc(86.83,43.33) 86.84,43.27 U10#2.4 arc(86.84,43.21) 86.84,43.2 arc(86.84,43.2) 86.84,43.2
  Top w0.4: R17#2.1 81.56,33.43 arc(81.78,33.57) 82.04,33.62 82.93,33.62 arc(83.19,33.68) 83.41,33.82 86.09,36.51 arc(86.12,36.55) 86.13,36.59 arc(86.14,36.63) 86.18,36.64 86.5,36.64 arc(86.74,36.69) 86.95,36.83 v1(87.14,37.02) ; 86.04,44.33 v1(86.04,44.14) 86.04,44.22 arc(86.02,44.29) 85.98,44.35 85.43,44.91 arc(85.21,45.05) 84.95,45.11 U10#2.1 84.82,45.11 ; v1(87.14,37.02) 87.34,36.82 arc(87.56,36.67) 87.82,36.62 88.11,36.62 arc(88.12,36.62) 88.12,36.61 ; v1(87.14,37.02) 87.27,37.15 ; v1(98.76,32.25) 98.82,32.25 arc(98.92,32.23) 99.02,32.22 R14#4.1 ; 86.84,43.2 86.84,41.69 arc(86.78,41.5) 86.66,41.34 C12#2.1 86.48,40.45 arc(86.53,40.19) 86.68,39.97 v1(87.14,39.52) ; 83.01,50.75 BATT+#2.1 ; 86.08,43.96 U10#2.4
  Bottom w0.2: BATT+#7.1 81.82,51.94 arc(81.83,51.94) 81.84,51.93 ; v1(86.04,44.14) 86.01,44.14 ; v1(87.14,37.02) 87.14,37.32
  Bottom w0.4: 81.84,51.93 v1(83.03,50.74) 83.03,47.43 arc(83.08,47.17) 83.23,46.95 v1(86.04,44.14) ; v1(87.14,39.52) v1(87.14,37.02) ; 87.14,37.32 92.04,32.42 arc(92.26,32.27) 92.52,32.22 98.7,32.22 arc(98.72,32.22) 98.74,32.23 v1(98.76,32.25) 99.03,32.25 arc(99.29,32.2) 99.5,32.06 107.76,23.8 arc(107.89,23.61) 107.93,23.38 U8#3.1
Board_3-/ADC: length 19.8
  Top w0.2: R15#2.2 R11#3.1 ; R15#2.2 101.64,24.11 arc(101.69,23.85) 101.83,23.63 102.55,22.91 arc(102.69,22.7) 102.74,22.47 102.74,22.21 arc(102.79,21.95) 102.93,21.73 102.94,21.72 arc(103.16,21.58) 103.42,21.52 104.12,21.52 arc(104.32,21.49) 104.49,21.37 arc(104.6,21.21) 104.64,21.01 104.64,20.34 arc(104.6,20.14) 104.49,19.97 arc(104.32,19.86) 104.12,19.82 101.36,19.82 arc(101.1,19.77) 100.88,19.63 100.15,18.9 arc(99.99,18.79) 99.81,18.76 U1.6 ; R15#2.2 R16#4.1
Board_3-/BMI_INT_AUX: length 6.8
  Top w0.2: U1.20 92.11,23.77 arc(92.13,23.87) 92.19,23.96 93.85,25.62 arc(94,25.84) 94.05,26.11 U12.4
